# Altium PCB IPG.PcbDoc (part 6 of 10)
Units mm, origin at the board's own origin, x right, y up, seen from the top; angles counter-clockwise.
Board outline 69.6 x 90.73 mm, 10 copper layers (TOP, DHOR, DVERT, GND 1, POWER, GND 2, GND 3, AVERT, AHOR, BOT), stack 1.062 mm thick; 727 components, 391 nets, 2009 pads, 3077 vias.
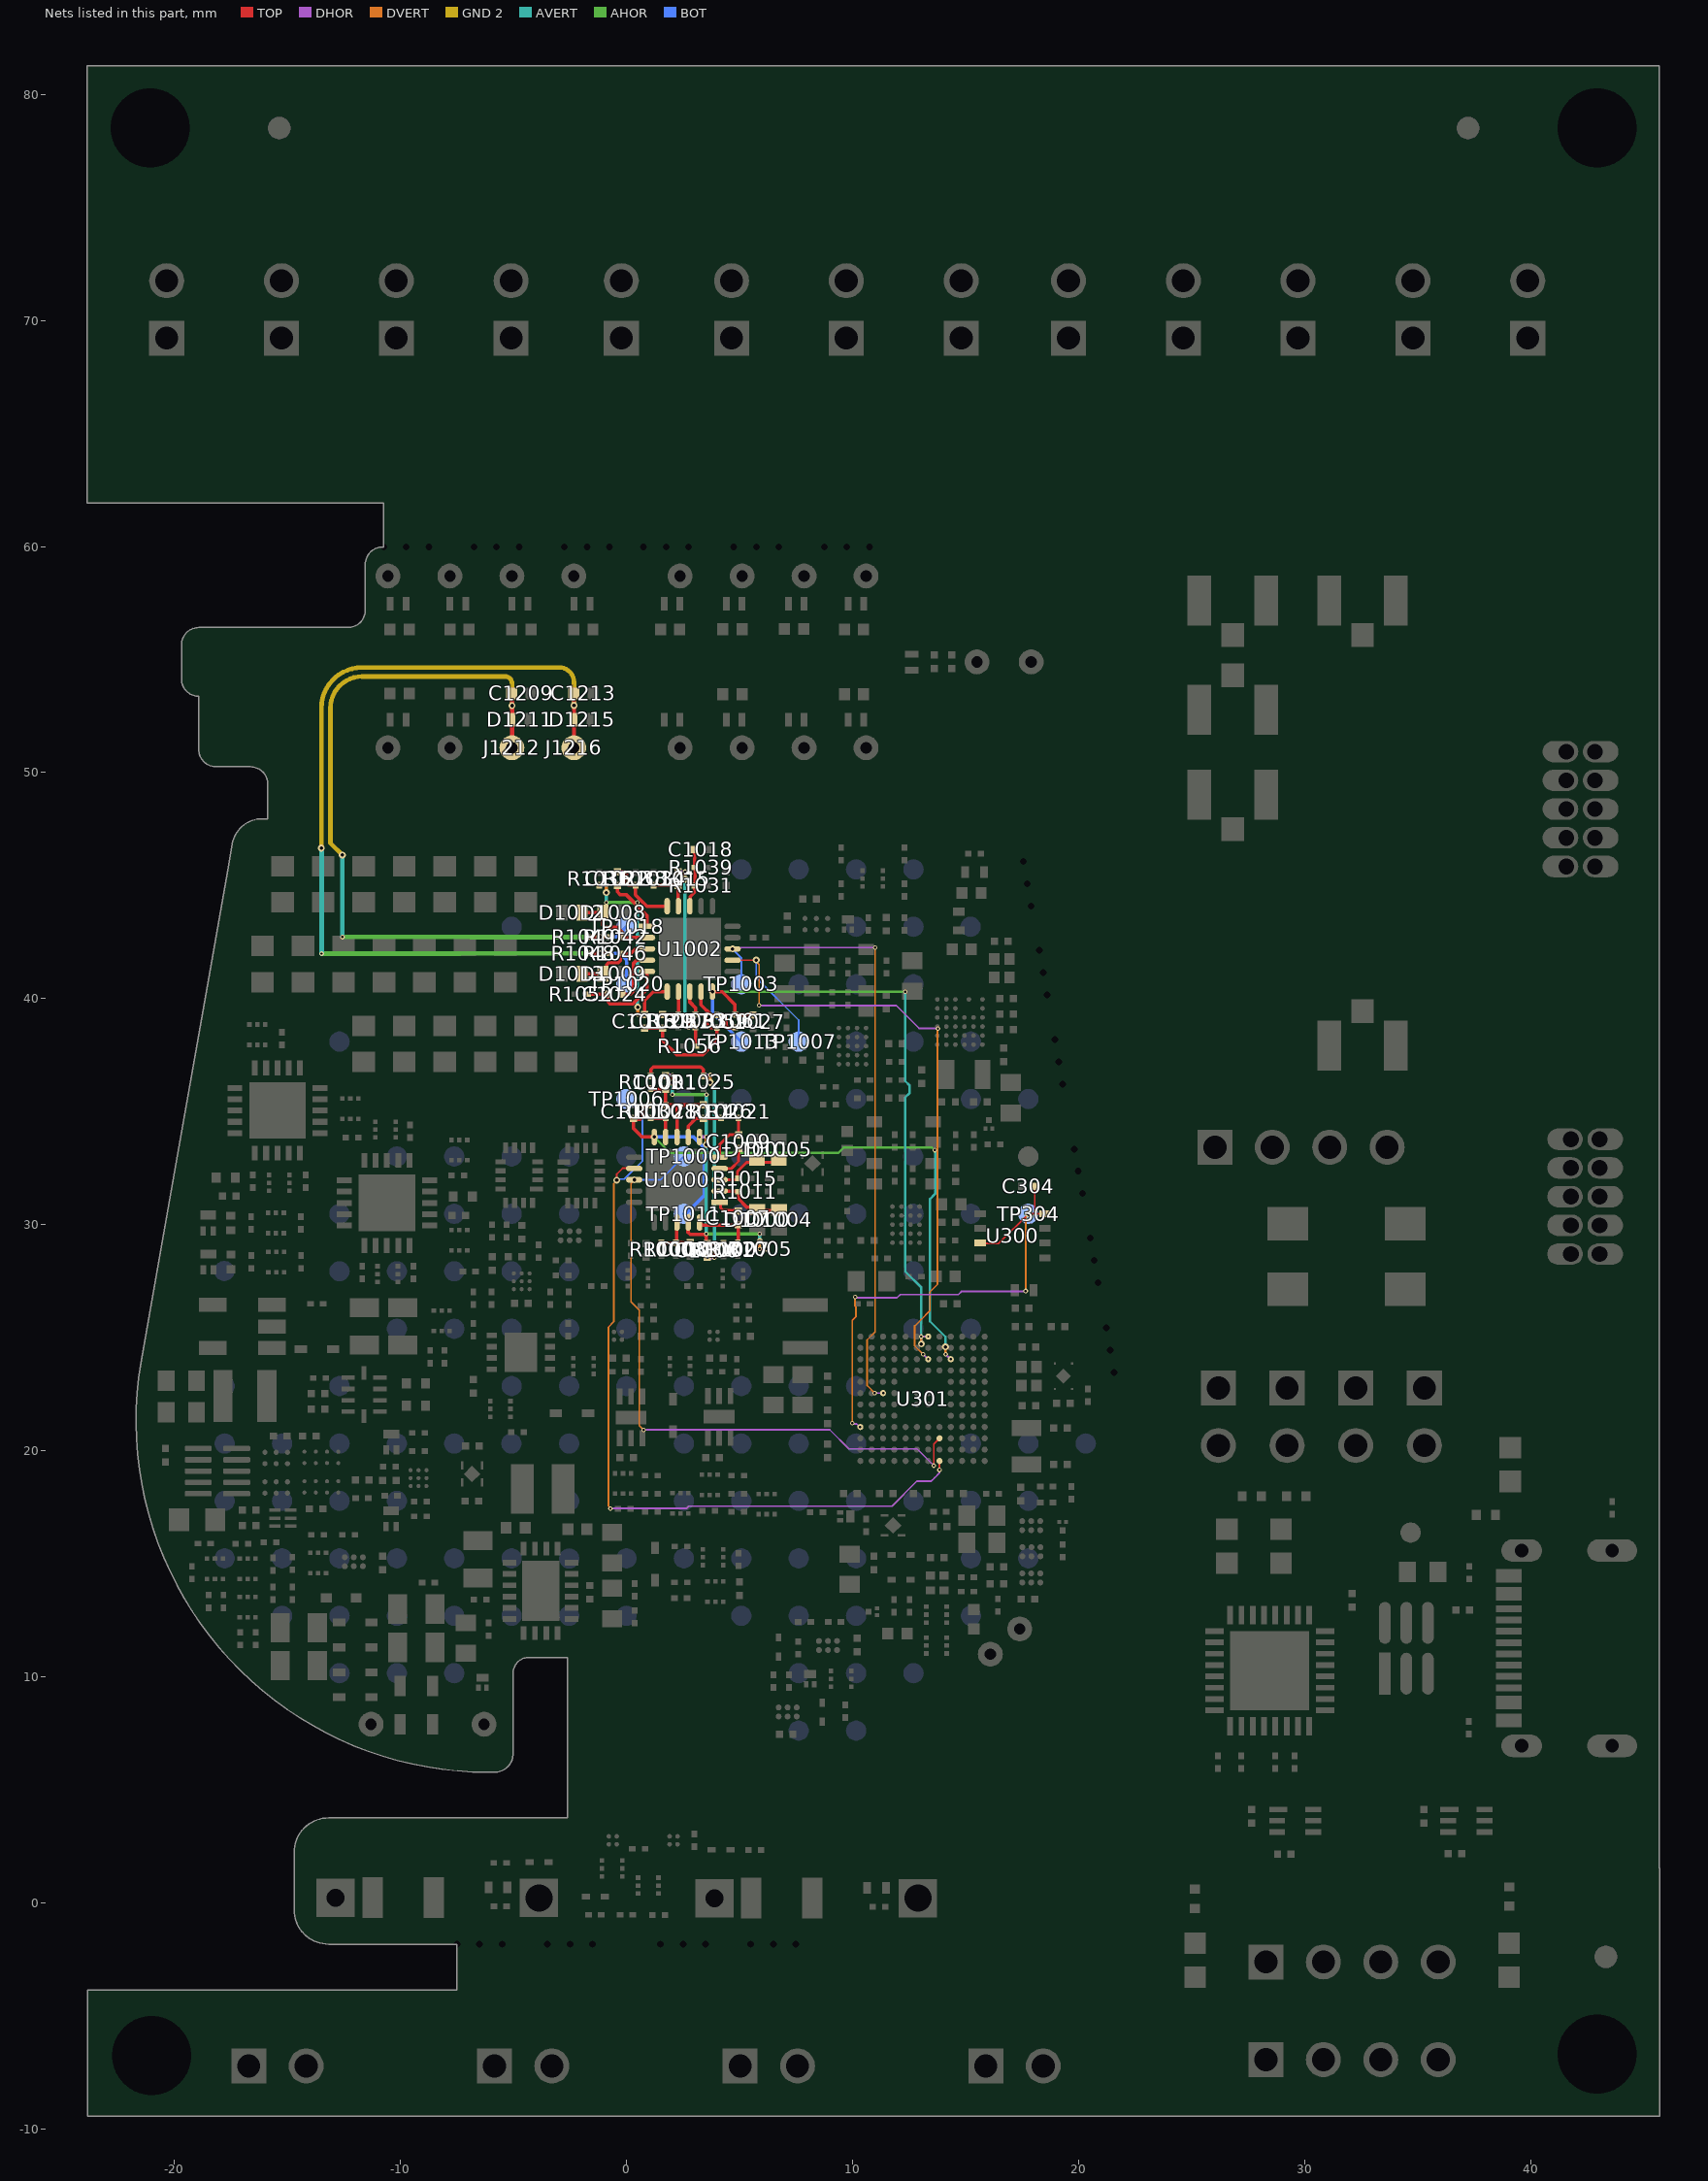
[diagram p14: the nets of this part, all layers, seen from the top]

## Via types
v1: diameter 0.203, hole 0.102, TOP to DHOR, tented top, 723 vias
v2: diameter 0.203, hole 0.102, DHOR to DVERT, tented top, 643 vias
v3: diameter 0.305/0.305/0/0.305/0.305/0.305 (per signal layer), hole 0.152, DVERT to AVERT, tented top, 439 vias
v4: diameter 0.305/0.305/0/0.305/0.305/0.305 (per signal layer), hole 0.152, DVERT to AVERT, 388 vias
v5: diameter 0.305, hole 0.152, TOP to BOT, 265 vias
v6: diameter 0.305/0.305/0.305/0.305/0/0.305/0.305/0.305/0.305/0.305 (per signal layer), hole 0.152, TOP to BOT, tented both sides, 133 vias
v7: diameter 0.305/0.305/0.305/0.305/0.305/0.305 (per signal layer), hole 0.152, DVERT to AVERT, tented top, 106 vias
v8: diameter 0.203, hole 0.102, AVERT to AHOR, tented top, 100 vias
v9: diameter 0.305, hole 0.152, TOP to BOT, tented both sides, 83 vias
v10: diameter 0.305/0/0/0.305/0/0.305/0.305/0/0/0.305 (per signal layer), hole 0.152, TOP to BOT, tented both sides, 67 vias
v11: diameter 0.305/0.305/0.305/0.305/0.305/0.305/0.305/0.305/0.305/0.305 (per signal layer), hole 0.152, TOP to BOT, tented both sides, 64 vias
v12: diameter 0.203, hole 0.102, AHOR to BOT, tented both sides, 31 vias
v13: diameter 0.203/0.203 (per signal layer), hole 0.102, DHOR to DVERT, tented top, 9 vias
v14: diameter 0.203/0.203 (per signal layer), hole 0.102, TOP to DHOR, tented top, 9 vias
v15: diameter 0.203, hole 0.102, DHOR to DVERT, tented both sides, 8 vias
v16: diameter 0.203, hole 0.102, TOP to DHOR, tented both sides, 4 vias
v17: diameter 0.305/0.305/0.305/0.305/0.305/0.305 (per signal layer), hole 0.152, DVERT to AVERT, 2 vias
v18: diameter 0.305, hole 0.152, DVERT to AVERT, tented top, 2 vias
v19: diameter 0.305/0/0/0.305/0.305/0.305/0.305/0/0/0.305 (per signal layer), hole 0.152, TOP to BOT, tented both sides, 1 vias

## Nets (pads, with @x,y where several pads share a name; then routed paths per layer and width w, separated by ;. In a path a pad name is that pad's centre, name@x,y a point inside that pad or via, vN(x,y) a via of type N, cw(c..) or ccw(c..) an arc to the next point about the centre after c; other vN are vias at no path point) (continued)
ENG1.LOD: TP1006.1 U301.A5 U1000.12 | length 36.2
  TOP w0.076: v6(-0.432,31.972) -0.432,32.24 -0.174,32.498 0.342,32.498 U1000.12@0.342,32.487 ; v1(13.85,19.151) U301.A5@13.85,19.55
  DVERT w0.076: v2(-0.712,17.439) -0.712,17.461 -0.798,17.547 -0.798,25.473 -0.564,25.707 -0.564,31.813 -0.432,31.945 v6(-0.432,31.972)
  DHOR w0.076: v2(-0.712,17.439) -0.704,17.446 2.65,17.446 2.756,17.551 11.751,17.551 12.856,18.656 13.487,18.656 13.631,18.8 13.839,19.009 13.839,19.14 v1(13.85,19.151)
  BOT w0.076: v6(-0.432,31.972) -0.432,32.033 -0.415,32.016 -0.096,32.016 0.711,32.823 0.711,34.849 TP1006.1@0,35.56
ENG1.OUT: C1011.2 R1030.1 TP1011.1 U301.K4 U1000.10 | length 31.1
  TOP w0.152: R1030.1@1.077,35.28 0.81,35.28 0.721,35.19 0.721,34.777 0.604,34.66 0.301,34.66 0.301,34.273 0.697,33.877 v6(1.232,33.877)
  DVERT w0.102: v3@14.119,24.583 14.121,24.581 14.121,24.271 v2@14.128,24.264
  AVERT w0.102: v8(13.64,33.299) 13.658,33.281 13.658,31.362 13.429,31.132 13.429,25.8 13.429,25.726 14.114,25.041 v3(14.114,24.598)
  DHOR w0.102: v2@14.125,24.264 14.13,24.264 14.344,24.051 v1@14.349,24.051
  AHOR w0.102: v6(1.232,33.877) 1.937,33.172 9.366,33.172 9.61,33.416 13.523,33.416 v8(13.64,33.299)
  BOT w0.152: v6(1.232,33.877) 2.97,33.877 3.454,33.392 3.454,31.317 2.617,30.48 TP1011.1@2.54,30.48
  other v1: 14.35,24.05
  other v2: 14.123,24.266
ENG1.SDNn: TP1000.1 U301.C5 U1000.13 | length 28.8
  TOP w0.076: v1(13.599,19.342) v1(13.599,19.342) 13.6,20.3 U301.C5@13.85,20.55
  DVERT w0.076: v6(0.342,31.987) 0.342,31.971 0.198,31.828 0.198,26.583 0.567,26.213 0.567,21.12 v2(0.762,20.925)
  DHOR w0.076: v2(0.762,20.925) 0.767,20.93 8.992,20.93 9.837,20.084 12.856,20.084 v1(13.599,19.342)
  BOT w0.076: v6(0.342,31.987) 1.507,31.987 TP1000.1@2.54,33.02
ENG1_HPDRIVE: C1007.1 U1000.1 | length 1.1
  TOP w0.127: U1000.1@4.123,30.987 4.123,30.97 4.163,30.93 4.163,30.748 4.271,30.64 C1007.1@4.955,30.64
ENG1_HPSENSE: C1007.2 R1007.1 U1000.20 | length 2.6
  TOP w0.152: U1000.20@3.232,30.096 3.349,29.98 4.955,29.98 4.942,29.966 4.942,29.205 R1007.1@4.928,29.191
ENG1_IN+: D1000.2 D1004.1 R1011.2 U1000.2 | length 3.1
  TOP w0.152: U1000.2@4.123,31.487 R1011.2@5.009,31.487 ; R1011.2@4.96,31.464 4.96,31.14 5.321,30.78 5.61,30.78 5.777,30.613 D1004.1@6.674,30.613
ENG1_IN-: D1001.2 D1005.1 R1015.2 U1000.3 | length 3.1
  TOP w0.127: U1000.3@4.123,31.987 4.856,31.987 4.915,32.046 4.915,32.36 5.323,32.768 5.775,32.768 5.782,32.761 D1005.1@6.754,32.761
ENG1_IOUT: C1000.2 R1002.2 U1000.19 | length 2.4
  TOP w0.152: U1000.19@2.732,30.096 2.725,30.088 2.725,29.655 2.814,29.566 3.447,29.566 3.536,29.476 3.536,29.206 C1000.2@3.581,29.161 R1002.2@4.289,29.161
ENG1_OPAMP+: C1014.2 R1026.2 U1000.7 | length 2.1
  TOP w0.152: U1000.7@2.732,33.877 2.732,34.366 3.066,34.7 4.16,34.7 R1026.2@4.18,34.72
ENG1_OPAMP-: R1028.2 R1030.2 U1000.9 | length 1.6
  TOP w0.102: U1000.9@1.727,33.877 U1000.9@1.732,33.877
  TOP w0.152: R1030.2@1.077,34.72 1.1,34.696 1.749,34.696 1.772,34.72 1.727,34.674 U1000.9@1.727,33.877
ENG1_REFIN: C1003.2 R1000.2 R1008.1 U1000.18 | length 2.3
  TOP w0.152: R1000.2@1.549,29.191 R1008.1@2.184,29.191 2.216,29.222 2.216,30.156 2.222,30.162 2.232,30.151 U1000.18@2.232,30.096 ; R1008.1@2.191,29.197 C1003.2@2.818,29.197
ENG1_REFOUT: C1001.2 C1014.1 R1001.1 R1028.1 U1000.8 | length 4.5
  TOP w0.152: R1001.1@1.077,36.025 1.102,35.999 C1001.2@1.733,35.999 1.733,35.294 2.232,35.294 ; U1000.8@2.232,33.877 2.232,35.294 ; C1014.1@3.398,35.294 2.232,35.294
ENG1_RLD: C1009.1 R1021.2 U1000.5 | length 2.2
  TOP w0.127: U1000.5@4.123,32.987 4.123,33.545 4.558,33.98 C1009.1@4.96,33.98 ; R1021.2@4.952,34.669 4.952,34.018 C1009.1@4.96,34.01
ENG1_RLDFB: C1009.2 U1000.4 | length 1.5
  TOP w0.127: U1000.4@4.123,32.487 4.645,32.487 4.96,32.802 C1009.2@4.96,33.35
ENG1_SW: C1001.1 R1005.1 U1000.6 | length 12.9
  DVERT w0.152: v3(2.038,36.287) v2(2.038,36.618) ; v3(3.537,33.55) v2(3.537,33.881) ; v2(5.893,28.927) v3(5.893,29.257)
  AVERT w0.152: v8(2.033,35.756) 2.035,35.758 2.035,36.285 v3(2.038,36.287) ; v8(3.531,29.591) 3.534,29.594 3.534,33.547 v3(3.537,33.55) 3.537,33.591 3.566,33.62 3.538,33.62 v8@3.538,35.754 ; v3(5.893,29.257) v8(5.893,29.591)
  DHOR w0.152: v1(1.733,36.614) 1.735,36.616 2.034,36.616 v2(2.038,36.618) ; v1(3.232,33.877) 3.234,33.879 3.534,33.879 v2@3.536,33.881 ; v2@5.895,28.927 5.897,28.929 6.196,28.929 v1(6.198,28.931)
  AHOR w0.152: v8@2.033,35.755 v8(3.539,35.755) ; v8(3.531,29.591) v8(5.893,29.591)
ENG1_VO1: C1000.1 R1001.2 R1025.1 | length 11.7
  TOP w0.152: R1001.2@1.077,36.585 1.08,36.588 1.08,36.869 1.194,36.982 3.279,36.982 3.396,36.865 3.396,36.592 R1025.1@3.404,36.585
  DVERT w0.152: v3(3.709,36.293) v2(3.709,36.624) ; v2(3.886,28.542) v3(3.886,28.872)
  AVERT w0.152: v3(3.709,36.293) 3.886,36.115 v3(3.886,28.872)
  DHOR w0.152: v1(3.404,36.62) 3.406,36.622 3.705,36.622 v2(3.709,36.624) ; v1(3.581,28.546) 3.583,28.544 3.883,28.544 v2(3.886,28.542)
ENG2+: C1209.2 D1211.2 J1212.1 R1042.1 R1049.1 TP1018.1 | length 36.4
  TOP w0.152: R1049.1@-1.582,42.723 v6(-1.18,42.723) R1042.1@-0.778,42.723
  TOP w0.19: J1212.1@-5.064,51.045 v9(-5.064,52.963) C1209.2@-5.064,53.513
  GND 2 w0.2: v3(-12.573,46.355) -13.1,46.882 -13.1,52.856 cw(c-11.702,52.856) -13.001,53.373 cw(c-11.702,52.856) -11.702,54.254 -5.375,54.254 cw(c-5.375,53.943) -5.064,53.943 v9@-5.064,52.963
  AVERT w0.2: v3(-12.573,46.355) -12.573,44.519 -12.567,44.513 v8(-12.567,42.726)
  AHOR w0.2: v8(-12.567,42.726) -6.898,42.726 -6.895,42.723 v6(-1.18,42.723)
  BOT w0.152: v6(-1.18,42.723) -0.457,42.723 TP1018.1@0,43.18
ENG2-: C1213.2 D1215.2 J1216.1 R1046.1 R1048.1 TP1020.1 | length 42.4
  TOP w0.152: R1048.1@-1.575,42 v6(-1.18,42) R1046.1@-0.825,42
  TOP w0.19: J1216.1@-2.321,51.045 C1213.2@-2.321,53.523
  GND 2 w0.2: v3(-13.5,46.66) -13.5,52.856 cw(c-11.707,52.856) -11.707,54.649 -2.967,54.649 cw(c-2.967,54.003) -2.321,54.003 -2.321,53.523 v9(-2.321,52.973)
  AVERT w0.2: v8(-13.489,41.989) v3@-13.489,46.649
  AHOR w0.2: v8(-13.489,41.989) -7.362,41.989 -7.354,41.997 -1.228,41.997 -1.225,42 v6(-1.18,42)
  BOT w0.152: v6(-1.18,42) -0.268,42 0,41.732 TP1020.1@0,40.64
ENG2.LOD: TP1007.1 U301.K6 U1002.12 | length 31.1
  TOP w0.076: U1002.12@4.691,41.7 4.694,41.703 5.737,41.703 v6(5.74,41.707)
  DVERT w0.076: v6(5.74,41.707) 5.74,41.645 5.872,41.513 v2(5.872,39.707) ; v2(13.123,24.266) 12.751,24.639 12.751,25.521 13.029,25.8 13.423,26.194 13.423,27.027 13.759,27.363 13.759,37.668 13.759,38.647 v2(13.783,38.671)
  DHOR w0.076: v2(5.872,39.707) 5.885,39.694 11.941,39.694 12.949,38.686 13.767,38.686 v2(13.783,38.671) ; v2@13.125,24.264 13.13,24.264 13.344,24.051 v1(13.35,24.05)
  BOT w0.076: v6(5.74,41.707) 5.74,40.932 7.62,39.052 TP1007.1@7.62,38.1
ENG2.OUT: C1027.2 R1061.1 TP1013.1 U301.M6 U1002.10 | length 30.4
  TOP w0.152: v6(3.8,40.309) 4.23,40.309 4.8,39.74 R1061.1@4.8,39.3 4.813,39.287 5.583,39.287 C1027.2@5.6,39.27
  DVERT w0.102: v3(13.045,24.723) v2(13.045,25.054)
  AVERT w0.102: v8(12.331,40.308) 12.331,36.353 12.531,36.153 12.531,35.832 12.325,35.626 12.325,31.074 12.325,28.935 12.325,27.942 13.045,27.222 13.045,25.8 v3(13.045,24.723)
  DHOR w0.102: v2@13.046,25.054 13.048,25.052 13.348,25.052 v1(13.35,25.05) ; v1@13.35,25.044 v1@13.35,25.047
  AHOR w0.102: v6(3.8,40.309) v8@12.33,40.309
  BOT w0.152: v6(3.8,40.309) 3.8,39.38 TP1013.1@5.08,38.1
ENG2.SDNn: TP1003.1 U301.G10 U1002.13 | length 28.4
  TOP w0.076: U301.G10@11.35,22.55 U301.G10@11.357,22.55
  DVERT w0.076: v2(10.985,22.548) 10.646,22.886 10.646,24.902 10.999,25.255 10.999,42.256 v2(10.995,42.26)
  DHOR w0.076: v6(4.691,42.2) 4.734,42.244 4.847,42.244 4.864,42.26 v2(10.995,42.26) ; v2(10.985,22.548) 11.356,22.547 v1@11.357,22.545
  BOT w0.076: v6(4.691,42.2) 5.08,41.811 TP1003.1@5.08,40.64
  other v1: 11.358,22.546
ENG2_HPDRIVE: C1022.1 U1002.1 | length 2.5
  TOP w0.152: C1022.1@-0.4,44.97 -0.4,44.723 -0.269,44.592 0,44.592 0.909,43.683 U1002.1@0.909,43.2
ENG2_HPSENSE: C1022.2 R1038.1 U1002.20 | length 3.3
  TOP w0.152: C1022.2@-0.4,45.6 -0.089,45.6 0,45.511 0,45.109 0.089,45.02 R1038.1@0.4,45.02 0.4,44.592 0.902,44.091 U1002.20@1.8,44.091
ENG2_IN+: D1008.2 D1012.1 R1042.2 U1002.2 | length 3.8
  TOP w0.152: D1012.1@-1.961,43.8 D1008.2@-1.05,43.8 -1.05,43.244 -0.961,43.155 -0.379,43.155 -0.2,42.975 -0.2,42.757 -0.183,42.74 R1042.2@-0.2,42.723 -0.188,42.711 0.898,42.711 U1002.2@0.909,42.7
ENG2_IN-: D1009.2 D1013.1 R1046.2 U1002.3 | length 3.6
  TOP w0.152: D1013.1@-1.961,41.163 -1.897,41.1 D1009.2@-1.05,41.1 -0.876,41.274 -0.876,41.513 -0.787,41.602 -0.364,41.602 -0.275,41.692 -0.275,41.951 -0.226,42 0.192,42 0.392,42.2 U1002.3@0.909,42.2
ENG2_IOUT: C1015.2 R1034.2 U1002.19 | length 2
  TOP w0.152: R1034.2@1.2,45.02 C1015.2@2.286,45.02 ; C1015.2@2.286,45.014 2.286,44.105 U1002.19@2.3,44.091
ENG2_OPAMP+: C1029.2 R1057.2 U1002.7 | length 1.7
  TOP w0.152: C1029.2@1.6,39.33 1.63,39.3 R1057.2@2.3,39.3 ; R1057.2@2.3,39.346 U1002.7@2.3,40.309
ENG2_OPAMP-: R1059.2 R1061.2 U1002.9 | length 2.7
  TOP w0.152: U1002.9@3.3,40.309 3.3,39.72 3.736,39.285 3.995,39.285 R1059.2@4,39.28 4.292,39.28 4.4,39.172 4.4,38.817 4.518,38.698 4.751,38.698 4.775,38.675 R1061.2@4.8,38.675
ENG2_REFIN: C1018.1 R1031.1 R1039.2 U1002.18 | length 2.6
  TOP w0.152: U1002.18@2.8,44.091 2.817,44.107 2.817,44.512 3.02,44.715 R1031.1@3.02,45 ; C1018.1@3,46.6 3.02,46.58 R1039.2@3.02,45.8 ; R1039.2@3.026,45.8 3.026,45.001 R1031.1@3.027,45
ENG2_REFOUT: C1016.2 C1029.1 R1033.1 R1059.1 U1002.8 | length 7.3
  TOP w0.152: C1016.2@0.8,38.7 C1029.1@1.6,38.7 ; C1029.1@1.6,38.67 1.6,38.143 2.229,37.515 3.369,37.515 4,38.145 R1059.1@4,38.72 3.723,38.72 3.531,38.913 3.531,39.127 3.363,39.294 R1033.1@3.048,39.294 3.048,39.601 2.806,39.842 2.806,40.303 U1002.8@2.8,40.309
ENG2_RLD: C1024.1 R1052.2 U1002.5 | length 3.9
  TOP w0.152: R1052.2@-1.675,40.2 C1024.1@-0.9,40.2 ; C1024.1@-0.8,40.2 -0.8,39.849 -0.711,39.76 0.26,39.76 0.909,40.409 U1002.5@0.909,41.2
ENG2_RLDFB: C1024.2 U1002.4 | length 2.4
  TOP w0.152: C1024.2@-0.2,40.2 0.175,40.2 0.312,40.337 0.312,41.564 0.448,41.7 U1002.4@0.909,41.7
ENG2_SW: C1016.1 R1036.1 U1002.6 | length 9.5
  TOP w0.152: C1016.1@0.8,39.33 0.8,39.916 1.193,40.309 U1002.6@1.8,40.309
  DVERT w0.152: v3(-0.895,44.693) v2(-0.895,45.024) ; v2(0.495,39.296) v3(0.495,39.627)
  AVERT w0.152: v8(-0.895,44.25) v3(-0.895,44.693) ; v8(0.475,44.25) 0.485,44.24 0.485,39.637 v3(0.495,39.627)
  DHOR w0.152: v1(-1.2,45.02) -1.198,45.022 -0.898,45.022 v2@-0.896,45.024 ; v2@0.496,39.296 0.498,39.298 0.798,39.298 v1(0.8,39.3)
  AHOR w0.152: v8(-0.895,44.25) v8(0.475,44.25)
ENG2_VO1: C1015.1 R1033.2 R1056.1 | length 8.4
  TOP w0.152: C1015.1@2.286,45.637 C1015.1@2.286,45.644 ; v1(3.048,38.734) 3.048,37.932 R1056.1@3.08,37.9
  DVERT w0.152: v3(2.591,45.287) v2(2.591,45.618) ; v2(2.743,38.73) v3(2.743,39.061)
  AVERT w0.152: v3(2.591,45.287) 2.591,39.227 2.743,39.075 v3(2.743,39.061)
  DHOR w0.152: v1(2.286,45.614) 2.288,45.616 2.588,45.616 v2(2.591,45.618) ; v2@2.744,38.73 2.746,38.732 3.046,38.732 v1(3.048,38.734)
FRAM_EN: C304.2 TP304.1 U300.3 U300.8 U301.D12 | length 21.7
  TOP w0.076: v1(10.34,21.05) U301.D12@10.35,21.05 ; U300.3@15.89,29.177 16.477,29.177 v6(17.78,30.48) ; v6@17.78,30.482 18.059,30.482 ; C304.2@18.059,31.79 18.059,30.482 ; U300.8@18.522,30.487 18.517,30.482 18.059,30.482
  DVERT w0.076: v2(9.987,21.214) 9.987,25.774 10.014,25.8 10.155,25.941 10.155,26.348 10.109,26.394 10.109,26.794 v2(10.117,26.802) ; v2(17.662,27.066) 17.662,30.321 17.78,30.439 v6(17.78,30.48)
  DHOR w0.076: v2(9.987,21.214) 10.012,21.19 10.175,21.19 10.315,21.05 v1(10.34,21.05) ; v2(10.117,26.802) 10.142,26.778 10.205,26.778 10.211,26.772 11.969,26.772 12.109,26.911 13.03,26.911 14.683,26.911 14.815,27.043 17.64,27.043 v2(17.662,27.066)